# Altium PCB OctopusPB_r0102.PcbDoc (part 2 of 10)
Units mm, origin at the board's own origin, x right, y up, seen from the top; angles counter-clockwise.
Board outline 318 x 80 mm, 4 copper layers (Top Layer, Layer 1, Layer 2, Bottom Layer), stack 1.62 mm thick; 806 components, 346 nets, 2957 pads, 6733 vias.
Unrouted connection lines stored in the file: 1143.
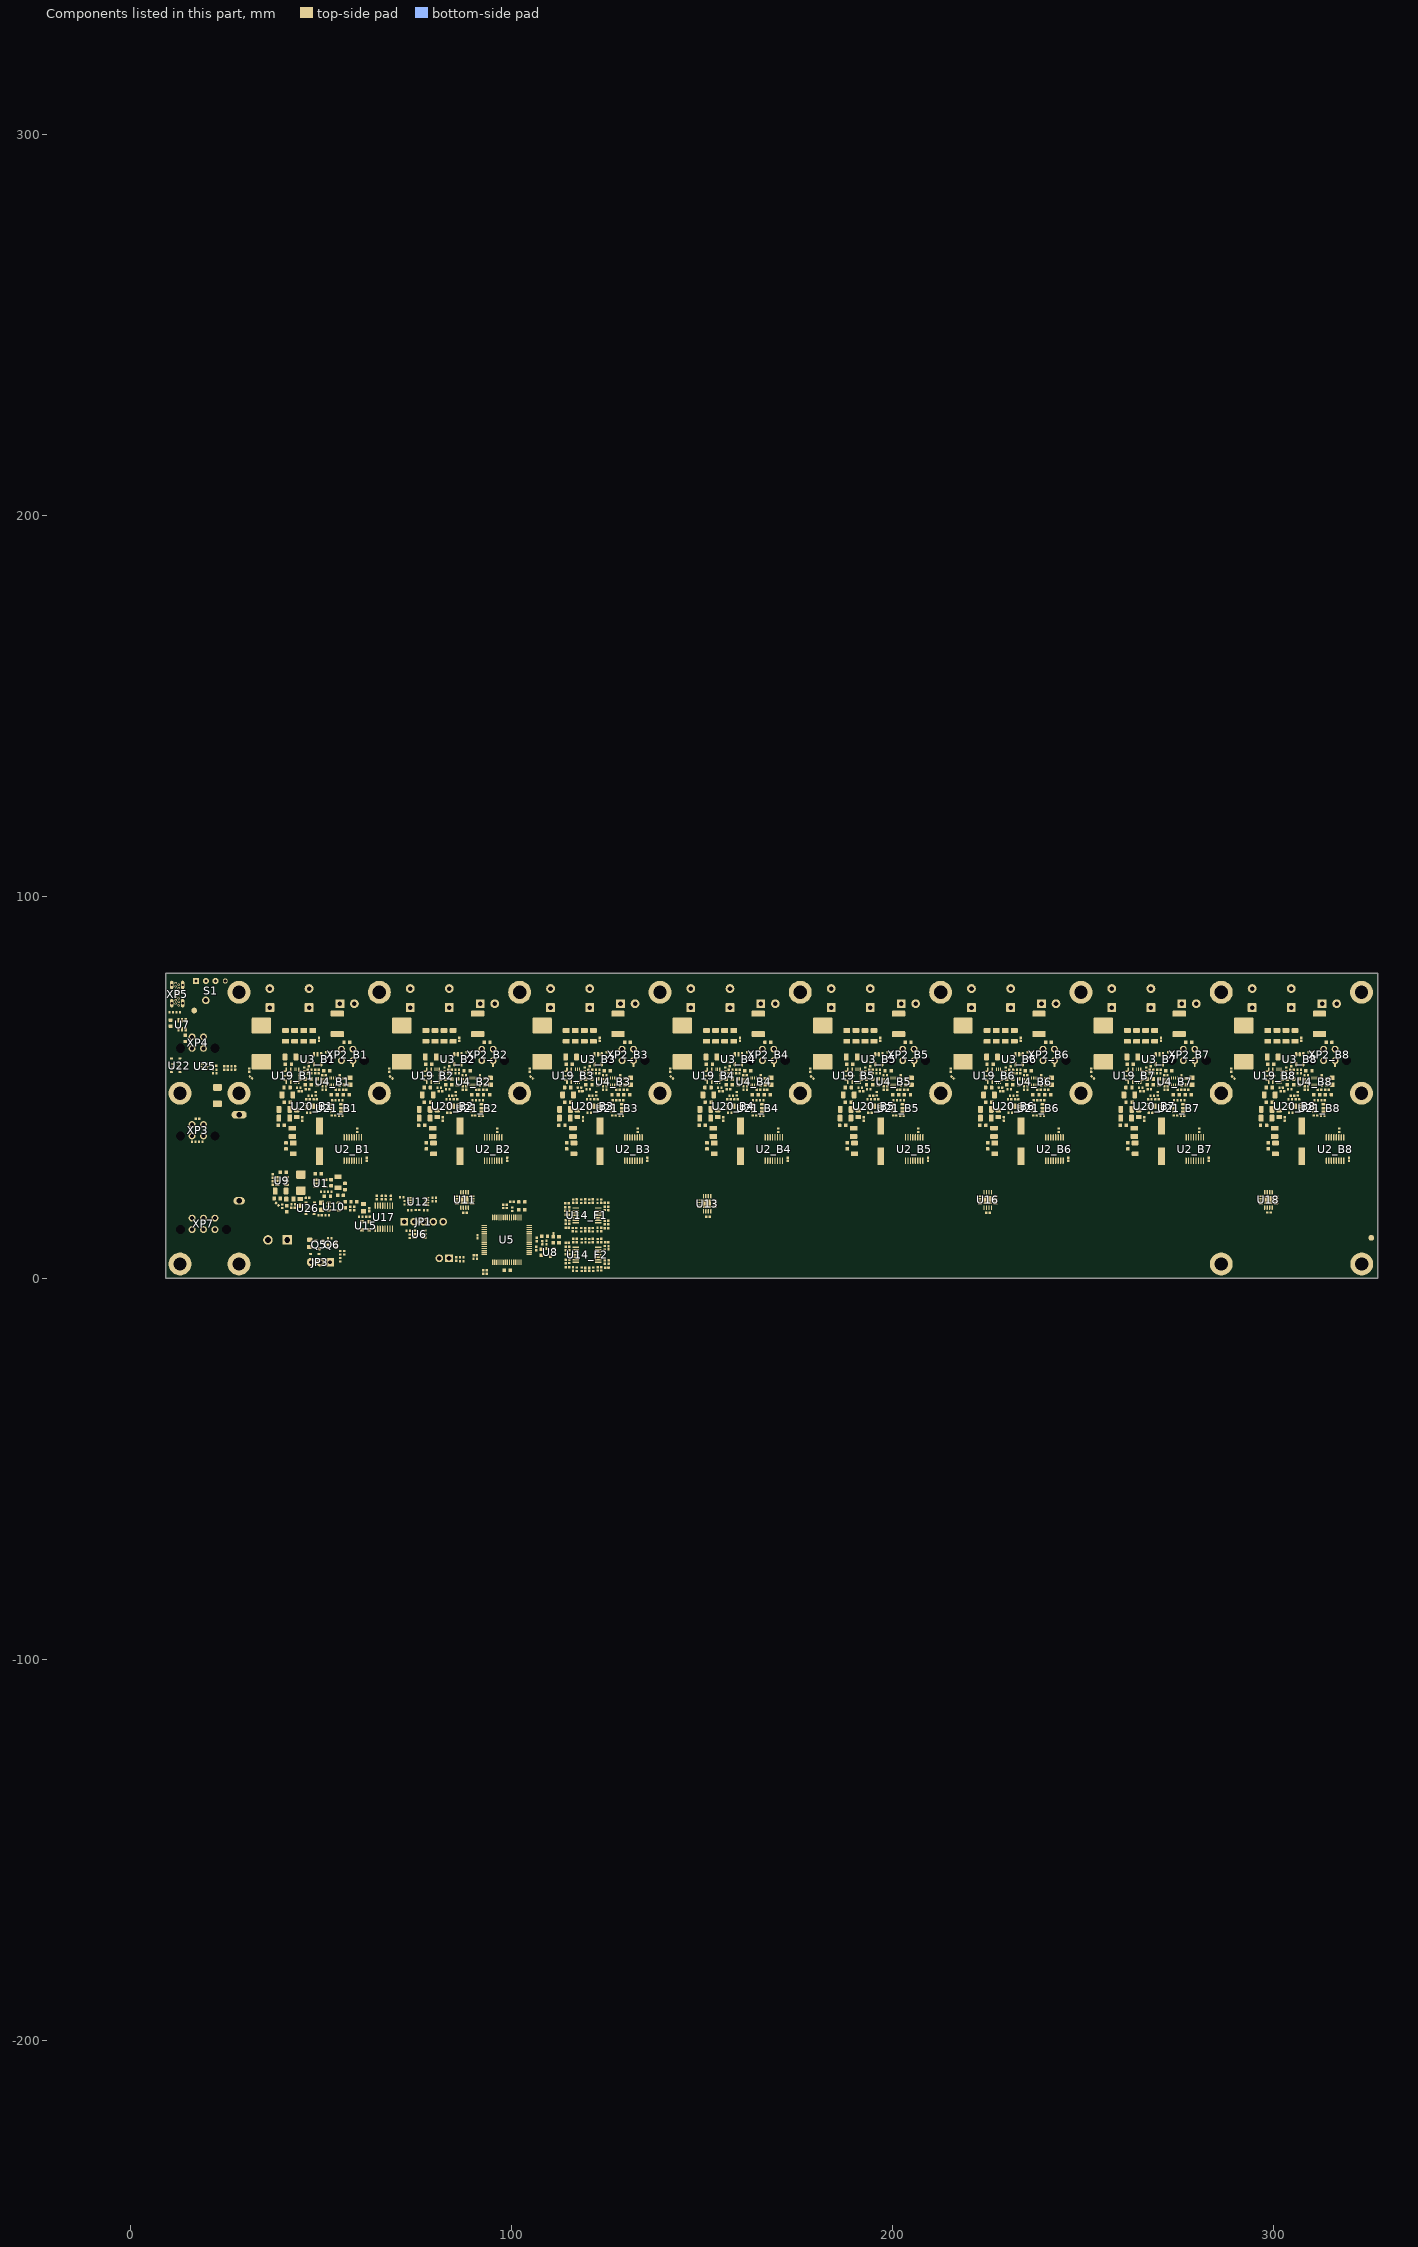
[diagram p4: the components of this part, seen from the top]

## Components (designator, comment, footprint, x,y, rotation, side; value= is the part's Value field where it differs from the comment) (continued)
R8_B1 "0R" RC0402M 47.175,47.85 r0 top (schematic designator R8)
R8_B2 "0R" RC0402M 84,47.85 r0 top (schematic designator R8)
R8_B3 "0R" RC0402M 120.825,47.85 r0 top (schematic designator R8)
R8_B4 "0R" RC0402M 157.65,47.85 r0 top (schematic designator R8)
R8_B5 "0R" RC0402M 194.475,47.85 r0 top (schematic designator R8)
R8_B6 "0R" RC0402M 231.3,47.85 r0 top (schematic designator R8)
R8_B7 "0R" RC0402M 268.125,47.85 r0 top (schematic designator R8)
R8_B8 "0R" RC0402M 304.95,47.85 r0 top (schematic designator R8)
R9_B1 "2k" RC2512M 54.275,66.7 r270 top (schematic designator R9)
R9_B2 "2k" RC2512M 91.1,66.7 r270 top (schematic designator R9)
R9_B3 "2k" RC2512M 127.925,66.7 r270 top (schematic designator R9)
R9_B4 "2k" RC2512M 164.75,66.7 r270 top (schematic designator R9)
R9_B5 "2k" RC2512M 201.575,66.7 r270 top (schematic designator R9)
R9_B6 "2k" RC2512M 238.4,66.7 r270 top (schematic designator R9)
R9_B7 "2k" RC2512M 275.225,66.7 r270 top (schematic designator R9)
R9_B8 "2k" RC2512M 312.05,66.7 r270 top (schematic designator R9)
R10_B1 "10k" RC0402M 53.375,46.625 r180 top (schematic designator R10)
R10_B2 "10k" RC0402M 90.2,46.625 r180 top (schematic designator R10)
R10_B3 "10k" RC0402M 127.025,46.625 r180 top (schematic designator R10)
R10_B4 "10k" RC0402M 163.85,46.625 r180 top (schematic designator R10)
R10_B5 "10k" RC0402M 200.675,46.625 r180 top (schematic designator R10)
R10_B6 "10k" RC0402M 237.5,46.625 r180 top (schematic designator R10)
R10_B7 "10k" RC0402M 274.325,46.625 r180 top (schematic designator R10)
R10_B8 "10k" RC0402M 311.15,46.625 r180 top (schematic designator R10)
R11_B1 "1.47k" RC0402M 55.2,46.625 r180 top (schematic designator R11)
R11_B2 "1.47k" RC0402M 92.025,46.625 r180 top (schematic designator R11)
R11_B3 "1.47k" RC0402M 128.85,46.625 r180 top (schematic designator R11)
R11_B4 "1.47k" RC0402M 165.675,46.625 r180 top (schematic designator R11)
R11_B5 "1.47k" RC0402M 202.5,46.625 r180 top (schematic designator R11)
R11_B6 "1.47k" RC0402M 239.325,46.625 r180 top (schematic designator R11)
R11_B7 "1.47k" RC0402M 276.15,46.625 r180 top (schematic designator R11)
R11_B8 "1.47k" RC0402M 312.975,46.625 r180 top (schematic designator R11)
R12 "91R" RC0402M 64.65,21.125 r90 top
R13 "91R" RC0402M 68.35,21.125 r90 top
R14 "10k" RC0402M 22.075,53.775 r0 top
R15_F1 "1.21k" RC0402M 125.4,14.56 r90 top (schematic designator R15)
R15_F2 "1.21k" RC0402M 125.45,4.21 r90 top (schematic designator R15)
R16_F1 "10k" RC0402M 123.5,12.74 r270 top (schematic designator R16)
R16_F2 "10k" RC0402M 123.55,2.39 r270 top (schematic designator R16)
R17 "10k" RC0402M 22.075,54.7 r180 top
R18_F1 "1.21k" RC0402M 115.1,18.115 r270 top (schematic designator R18)
R18_F2 "1.21k" RC0402M 115.15,7.765 r270 top (schematic designator R18)
R19_F1 "10k" RC0402M 122.55,12.745 r270 top (schematic designator R19)
R19_F2 "10k" RC0402M 122.6,2.395 r270 top (schematic designator R19)
R20_B1 "7.15k" RC0402M 48.925,53.7 r0 top (schematic designator R20)
R20_B2 "7.15k" RC0402M 85.75,53.7 r0 top (schematic designator R20)
R20_B3 "7.15k" RC0402M 122.575,53.7 r0 top (schematic designator R20)
R20_B4 "7.15k" RC0402M 159.4,53.7 r0 top (schematic designator R20)
R20_B5 "7.15k" RC0402M 196.225,53.7 r0 top (schematic designator R20)
R20_B6 "7.15k" RC0402M 233.05,53.7 r0 top (schematic designator R20)
R20_B7 "7.15k" RC0402M 269.875,53.7 r0 top (schematic designator R20)
R20_B8 "7.15k" RC0402M 306.7,53.7 r0 top (schematic designator R20)
R21_B1 "1.2k" RC0402M 50.775,53.2 r0 top (schematic designator R21)
R21_B2 "1.2k" RC0402M 87.6,53.2 r0 top (schematic designator R21)
R21_B3 "1.2k" RC0402M 124.425,53.2 r0 top (schematic designator R21)
R21_B4 "1.2k" RC0402M 161.25,53.2 r0 top (schematic designator R21)
R21_B5 "1.2k" RC0402M 198.075,53.2 r0 top (schematic designator R21)
R21_B6 "1.2k" RC0402M 234.9,53.2 r0 top (schematic designator R21)
R21_B7 "1.2k" RC0402M 271.725,53.2 r0 top (schematic designator R21)
R21_B8 "1.2k" RC0402M 308.55,53.2 r0 top (schematic designator R21)
R22_F1 "1.21k" RC0402M 121.325,12.68 r90 top (schematic designator R22)
R22_F2 "1.21k" RC0402M 121.375,2.33 r90 top (schematic designator R22)
R23_B1 "0R" RC0402M 50.825,50.325 r0 top (schematic designator R23)
R23_B2 "0R" RC0402M 87.65,50.325 r0 top (schematic designator R23)
R23_B3 "0R" RC0402M 124.475,50.325 r0 top (schematic designator R23)
R23_B4 "0R" RC0402M 161.3,50.325 r0 top (schematic designator R23)
R23_B5 "0R" RC0402M 198.125,50.325 r0 top (schematic designator R23)
R23_B6 "0R" RC0402M 234.95,50.325 r0 top (schematic designator R23)
R23_B7 "0R" RC0402M 271.775,50.325 r0 top (schematic designator R23)
R23_B8 "0R" RC0402M 308.6,50.325 r0 top (schematic designator R23)
R24_B1 "0R" RC0402M 50.825,49.4 r0 top (schematic designator R24)
R24_B2 "0R" RC0402M 87.65,49.4 r0 top (schematic designator R24)
R24_B3 "0R" RC0402M 124.475,49.4 r0 top (schematic designator R24)
R24_B4 "0R" RC0402M 161.3,49.4 r0 top (schematic designator R24)
R24_B5 "0R" RC0402M 198.125,49.4 r0 top (schematic designator R24)
R24_B6 "0R" RC0402M 234.95,49.4 r0 top (schematic designator R24)
R24_B7 "0R" RC0402M 271.775,49.4 r0 top (schematic designator R24)
R24_B8 "0R" RC0402M 308.6,49.4 r0 top (schematic designator R24)
R25_B1 "0R" RC0402M 51.25,51.725 r90 top (schematic designator R25)
R25_B2 "0R" RC0402M 88.075,51.725 r90 top (schematic designator R25)
R25_B3 "0R" RC0402M 124.9,51.725 r90 top (schematic designator R25)
R25_B4 "0R" RC0402M 161.725,51.725 r90 top (schematic designator R25)
R25_B5 "0R" RC0402M 198.55,51.725 r90 top (schematic designator R25)
R25_B6 "0R" RC0402M 235.375,51.725 r90 top (schematic designator R25)
R25_B7 "0R" RC0402M 272.2,51.725 r90 top (schematic designator R25)
R25_B8 "0R" RC0402M 309.025,51.725 r90 top (schematic designator R25)
R26_B1 "0R" RC0402M 50.35,51.72 r90 top (schematic designator R26)
R26_B2 "0R" RC0402M 87.175,51.72 r90 top (schematic designator R26)
R26_B3 "0R" RC0402M 124,51.72 r90 top (schematic designator R26)
R26_B4 "0R" RC0402M 160.825,51.72 r90 top (schematic designator R26)
R26_B5 "0R" RC0402M 197.65,51.72 r90 top (schematic designator R26)
R26_B6 "0R" RC0402M 234.475,51.72 r90 top (schematic designator R26)
R26_B7 "0R" RC0402M 271.3,51.72 r90 top (schematic designator R26)
R26_B8 "0R" RC0402M 308.125,51.72 r90 top (schematic designator R26)
R27 "4.7k" RC0402M 18.45,35.725 r180 top
R28 "4.7k" RC0402M 16.625,35.725 r0 top
R29 "10k" RC0402M 100.175,18.05 r270 top
R30 "1k" RC0402M 49.75,16.475 r180 top
R31 "10k" RC0402M 73.325,11 r90 top
R32 "10k" RC0402M 72.875,12.45 r180 top
R33 "1k" RC0402M 51.65,16.475 r0 top
R34 "240R" RC0402M 100.125,20 r0 top
R35_F1 "1.21k" RC0402M 115.15,14.715 r90 top (schematic designator R35)
R35_F2 "1.21k" RC0402M 115.2,4.365 r90 top (schematic designator R35)
R36 "100k" RC0402M 90.475,5.025 r180 top
R37 "5.1k" RC0402M 12.55,69.725 r0 top
R38 "33R" RC0402M 93.025,2 r180 top
R39 "5.1k" RC0402M 10.675,69.725 r180 top
R40 "10k" RC0402M 11.1,55.75 r90 top
R41 "33R" RC0402M 93.025,1.075 r180 top
R42 "10k" RC0402M 86.94,5.425 r0 top
R43 "100R" RC0402M 86.945,4.45 r0 top
R44 "91k" RC0402M 37.3,26.775 r90 top
R45 "22.1k" RC0402M 37.3,24.93 r270 top
R46 "4.7k" RC0402M 77.5,17.85 r0 top
R47 "4.7k" RC0402M 73.275,17.85 r0 top
R48 "4.7k" RC0402M 79.675,21.075 r0 top
R49 "4.7k" RC0402M 79.675,20.15 r0 top
R50 "4.7k" RC0402M 71.175,21.15 r180 top
R51 "4.7k" RC0402M 71.9,19.775 r270 top
R52 "91R" RC0402M 65.975,21.125 r90 top
R53_F1 "10k" RC0402M 116.15,20.19 r90 top (schematic designator R53)
R53_F2 "10k" RC0402M 116.2,9.84 r90 top (schematic designator R53)
R54 "10k" RC0402M 60.425,16.125 r0 top
R55 "91R" RC0402M 66.925,21.125 r90 top
R56_F1 "1.21k" RC0402M 124.425,18.27 r270 top (schematic designator R56)
R56_F2 "1.21k" RC0402M 124.475,7.92 r270 top (schematic designator R56)
R57_F1 "10k" RC0402M 117.075,20.2 r90 top (schematic designator R57)
R57_F2 "10k" RC0402M 117.125,9.85 r90 top (schematic designator R57)
R58_B1 "0R" RC0402M 46.575,46.9 r0 top (schematic designator R58)
R58_B2 "0R" RC0402M 83.4,46.9 r0 top (schematic designator R58)
R58_B3 "0R" RC0402M 120.225,46.9 r0 top (schematic designator R58)
R58_B4 "0R" RC0402M 157.05,46.9 r0 top (schematic designator R58)
R58_B5 "0R" RC0402M 193.875,46.9 r0 top (schematic designator R58)
R58_B6 "0R" RC0402M 230.7,46.9 r0 top (schematic designator R58)
R58_B7 "0R" RC0402M 267.525,46.9 r0 top (schematic designator R58)
R58_B8 "0R" RC0402M 304.35,46.9 r0 top (schematic designator R58)
R59_B1 "0R" RC0402M 48.575,48.325 r270 top (schematic designator R59)
R59_B2 "0R" RC0402M 85.4,48.325 r270 top (schematic designator R59)
R59_B3 "0R" RC0402M 122.225,48.325 r270 top (schematic designator R59)
R59_B4 "0R" RC0402M 159.05,48.325 r270 top (schematic designator R59)
R59_B5 "0R" RC0402M 195.875,48.325 r270 top (schematic designator R59)
R59_B6 "0R" RC0402M 232.7,48.325 r270 top (schematic designator R59)
R59_B7 "0R" RC0402M 269.525,48.325 r270 top (schematic designator R59)
R59_B8 "0R" RC0402M 306.35,48.325 r270 top (schematic designator R59)
R60_F1 "10k" RC0402M 116.075,12.715 r270 top (schematic designator R60)
R60_F2 "10k" RC0402M 116.125,2.365 r270 top (schematic designator R60)
R61_F1 "10k" RC0402M 123.475,20.19 r90 top (schematic designator R61)
R61_F2 "10k" RC0402M 123.525,9.84 r90 top (schematic designator R61)
R62_F1 "10k" RC0402M 117.025,12.69 r270 top (schematic designator R62)
R62_F2 "10k" RC0402M 117.075,2.34 r270 top (schematic designator R62)
R63_F1 "10k" RC0402M 122.55,20.175 r90 top (schematic designator R63)
R63_F2 "10k" RC0402M 122.6,9.825 r90 top (schematic designator R63)
R64 "10k" RC0402M 42.675,19.425 r0 top
R65_B1 "100R" RC0402M 44.18,50 r0 top (schematic designator R65)
R65_B2 "100R" RC0402M 81.005,50 r0 top (schematic designator R65)
R65_B3 "100R" RC0402M 117.83,50 r0 top (schematic designator R65)
R65_B4 "100R" RC0402M 154.655,50 r0 top (schematic designator R65)
R65_B5 "100R" RC0402M 191.48,50 r0 top (schematic designator R65)
R65_B6 "100R" RC0402M 228.305,50 r0 top (schematic designator R65)
R65_B7 "100R" RC0402M 265.13,50 r0 top (schematic designator R65)
R65_B8 "100R" RC0402M 301.955,50 r0 top (schematic designator R65)
R66_B1 "33k" RC0402M 45.575,54.775 r90 top (schematic designator R66)
R66_B2 "33k" RC0402M 82.4,54.775 r90 top (schematic designator R66)
R66_B3 "33k" RC0402M 119.225,54.775 r90 top (schematic designator R66)
R66_B4 "33k" RC0402M 156.05,54.775 r90 top (schematic designator R66)
R66_B5 "33k" RC0402M 192.875,54.775 r90 top (schematic designator R66)
R66_B6 "33k" RC0402M 229.7,54.775 r90 top (schematic designator R66)
R66_B7 "33k" RC0402M 266.525,54.775 r90 top (schematic designator R66)
R66_B8 "33k" RC0402M 303.35,54.775 r90 top (schematic designator R66)
R67_B1 "6.04k" RC0402M 46.525,54.2 r270 top (schematic designator R67)
R67_B2 "6.04k" RC0402M 83.35,54.2 r270 top (schematic designator R67)
R67_B3 "6.04k" RC0402M 120.175,54.2 r270 top (schematic designator R67)
R67_B4 "6.04k" RC0402M 157,54.2 r270 top (schematic designator R67)
R67_B5 "6.04k" RC0402M 193.825,54.2 r270 top (schematic designator R67)
R67_B6 "6.04k" RC0402M 230.65,54.2 r270 top (schematic designator R67)
R67_B7 "6.04k" RC0402M 267.475,54.2 r270 top (schematic designator R67)
R67_B8 "6.04k" RC0402M 304.3,54.2 r270 top (schematic designator R67)
R68 "0R" RC0402M 97.8,18.8 r270 top
R69 "0R" RC0402M 98.75,18.795 r270 top
R70 "10k" RC0402M 55.1,4.8 r270 top
R71 "10k" RC0402M 52.3,10.45 r0 top
R72 "10R" RC0402M 55.1,6.62 r270 top
R73 "10k" RC0402M 56.075,6.625 r270 top
R74_B1 "0R" RC0402M 46.75,43.325 r0 top (schematic designator R74)
R74_B2 "0R" RC0402M 83.575,43.325 r0 top (schematic designator R74)
R74_B3 "0R" RC0402M 120.4,43.325 r0 top (schematic designator R74)
R74_B4 "0R" RC0402M 157.225,43.325 r0 top (schematic designator R74)
R74_B5 "0R" RC0402M 194.05,43.325 r0 top (schematic designator R74)
R74_B6 "0R" RC0402M 230.875,43.325 r0 top (schematic designator R74)
R74_B7 "0R" RC0402M 267.7,43.325 r0 top (schematic designator R74)
R74_B8 "0R" RC0402M 304.525,43.325 r0 top (schematic designator R74)
R75_F1 "1.21k" RC0402M 118.35,20.165 r270 top (schematic designator R75)
R75_F2 "1.21k" RC0402M 118.4,9.815 r270 top (schematic designator R75)
R76_F1 "1.21k" RC0402M 118.325,12.655 r90 top (schematic designator R76)
R76_F2 "1.21k" RC0402M 118.375,2.305 r90 top (schematic designator R76)
R77_F1 "1.21k" RC0402M 120.325,20.17 r270 top (schematic designator R77)
R77_F2 "1.21k" RC0402M 120.375,9.82 r270 top (schematic designator R77)
R82 "10k" RC0402M 38.5,19.35 r315 top
R83_B1 "10R" RC0402M 46.45,49.525 r0 top (schematic designator R83)
R83_B2 "10R" RC0402M 83.275,49.525 r0 top (schematic designator R83)
R83_B3 "10R" RC0402M 120.1,49.525 r0 top (schematic designator R83)
R83_B4 "10R" RC0402M 156.925,49.525 r0 top (schematic designator R83)
R83_B5 "10R" RC0402M 193.75,49.525 r0 top (schematic designator R83)
R83_B6 "10R" RC0402M 230.575,49.525 r0 top (schematic designator R83)
R83_B7 "10R" RC0402M 267.4,49.525 r0 top (schematic designator R83)
R83_B8 "10R" RC0402M 304.225,49.525 r0 top (schematic designator R83)
R86 "1k" RC0402M 39.825,18.825 r270 top
R102_B1 "91R" RC0402M 59.475,38.8 r90 top (schematic designator R102)
R102_B2 "91R" RC0402M 96.3,38.8 r90 top (schematic designator R102)
R102_B3 "91R" RC0402M 133.125,38.8 r90 top (schematic designator R102)
R102_B4 "91R" RC0402M 169.95,38.8 r90 top (schematic designator R102)
R102_B5 "91R" RC0402M 206.775,38.8 r90 top (schematic designator R102)
R102_B6 "91R" RC0402M 243.6,38.8 r90 top (schematic designator R102)
R102_B7 "91R" RC0402M 280.425,38.8 r90 top (schematic designator R102)
R102_B8 "91R" RC0402M 317.25,38.8 r90 top (schematic designator R102)
R106 "10k" RC0402M 24.6,55.13 r270 top
R107 "10k" RC0402M 25.55,55.13 r270 top
R108 "10k" RC0402M 26.5,55.13 r270 top
R109 "10k" RC0402M 27.425,55.13 r270 top
S1 "S-1011A" S-1011A 17.235,77.95 r90 top locked
U1 "NCP730ASNADJT1G" TSOP-5 49.875,24.825 r0 top
U2_B1 "SN74LV4051" TSSOP-16 58.35,33.85 r270 top (schematic designator U2)
U2_B2 "SN74LV4051" TSSOP-16 95.175,33.85 r270 top (schematic designator U2)
U2_B3 "SN74LV4051" TSSOP-16 132,33.85 r270 top (schematic designator U2)
U2_B4 "SN74LV4051" TSSOP-16 168.825,33.85 r270 top (schematic designator U2)
U2_B5 "SN74LV4051" TSSOP-16 205.65,33.85 r270 top (schematic designator U2)
U2_B6 "SN74LV4051" TSSOP-16 242.475,33.85 r270 top (schematic designator U2)
U2_B7 "SN74LV4051" TSSOP-16 279.3,33.85 r270 top (schematic designator U2)
U2_B8 "SN74LV4051" TSSOP-16 316.125,33.85 r270 top (schematic designator U2)
U3_B1 "TLV172IDBVR" SOT23-5 49.075,57.425 r270 top (schematic designator U3)
U3_B2 "TLV172IDBVR" SOT23-5 85.9,57.425 r270 top (schematic designator U3)
U3_B3 "TLV172IDBVR" SOT23-5 122.725,57.425 r270 top (schematic designator U3)
U3_B4 "TLV172IDBVR" SOT23-5 159.55,57.425 r270 top (schematic designator U3)
U3_B5 "TLV172IDBVR" SOT23-5 196.375,57.425 r270 top (schematic designator U3)
U3_B6 "TLV172IDBVR" SOT23-5 233.2,57.425 r270 top (schematic designator U3)
U3_B7 "TLV172IDBVR" SOT23-5 270.025,57.425 r270 top (schematic designator U3)
U3_B8 "TLV172IDBVR" SOT23-5 306.85,57.425 r270 top (schematic designator U3)
U4_B1 "DAC70501ZDQFT" WSON-8 53.054,51.555 r270 top (schematic designator U4)
U4_B2 "DAC70501ZDQFT" WSON-8 89.879,51.555 r270 top (schematic designator U4)
U4_B3 "DAC70501ZDQFT" WSON-8 126.704,51.555 r270 top (schematic designator U4)
U4_B4 "DAC70501ZDQFT" WSON-8 163.529,51.555 r270 top (schematic designator U4)
U4_B5 "DAC70501ZDQFT" WSON-8 200.354,51.555 r270 top (schematic designator U4)
U4_B6 "DAC70501ZDQFT" WSON-8 237.179,51.555 r270 top (schematic designator U4)
U4_B7 "DAC70501ZDQFT" WSON-8 274.004,51.555 r270 top (schematic designator U4)
U4_B8 "DAC70501ZDQFT" WSON-8 310.829,51.555 r270 top (schematic designator U4)
U5 "LPC54113J256BD64QL" LQFP-64 98.716,10.009 r90 top
U6 "IP4220CZ6" TSOP-6 75.825,11.525 r0 top
U7 "IP4220CZ6" TSOP-6 13.525,66.45 r270 top
U8 "REF3330AIDBZ" SOT23-3 110.2,6.75 r90 top
U9 "TPS560430YFQDBVRQ1" SOT23-6 39.725,25.475 r270 top
U10 "MIC5317-3.3YM5" SOT23-5 53.3,18.77 r0 top
U11 "PCA9554ARGVR" VQFN-16(RGV) 87.675,20.5 r180 top
U12 "PCA9540BDP,118" TSSOP-8 75.5,20.075 r0 top
U13 "PCA9554ARGVR" VQFN-16(RGV) 151.325,19.5 r180 top
U14_F1 "MCP6004T-I/ST" TSSOP-14 119.775,16.44 r0 top (schematic designator U14)
U14_F2 "MCP6004T-I/ST" TSSOP-14 119.825,6.09 r0 top (schematic designator U14)
U15 "DSC6001CI2A-004.0000" CDFN3225-4LD 61.725,13.7 r0 top
U16 "PCA9554ARGVR" VQFN-16(RGV) 224.975,20.5 r180 top
U17 "SN74HC163PW" TSSOP-16 66.475,15.975 r90 top
U18 "PCA9554ARGVR" VQFN-16(RGV) 298.625,20.5 r180 top
U19_B1 "LM61460-Q1" VQFN-HR-14 42.5,53.075 r180 top (schematic designator U19)
U19_B2 "LM61460-Q1" VQFN-HR-14 79.325,53.075 r180 top (schematic designator U19)
U19_B3 "LM61460-Q1" VQFN-HR-14 116.15,53.075 r180 top (schematic designator U19)
U19_B4 "LM61460-Q1" VQFN-HR-14 152.975,53.075 r180 top (schematic designator U19)
U19_B5 "LM61460-Q1" VQFN-HR-14 189.8,53.075 r180 top (schematic designator U19)
U19_B6 "LM61460-Q1" VQFN-HR-14 226.625,53.075 r180 top (schematic designator U19)
U19_B7 "LM61460-Q1" VQFN-HR-14 263.45,53.075 r180 top (schematic designator U19)
U19_B8 "LM61460-Q1" VQFN-HR-14 300.275,53.075 r180 top (schematic designator U19)
U20_B1 "AT30TSE002B-MAH-T" WDFN-8 47.7,45.075 r0 top (schematic designator U20)
U20_B2 "AT30TSE002B-MAH-T" WDFN-8 84.525,45.075 r0 top (schematic designator U20)
U20_B3 "AT30TSE002B-MAH-T" WDFN-8 121.35,45.075 r0 top (schematic designator U20)
U20_B4 "AT30TSE002B-MAH-T" WDFN-8 158.175,45.075 r0 top (schematic designator U20)
U20_B5 "AT30TSE002B-MAH-T" WDFN-8 195,45.075 r0 top (schematic designator U20)
U20_B6 "AT30TSE002B-MAH-T" WDFN-8 231.825,45.075 r0 top (schematic designator U20)
U20_B7 "AT30TSE002B-MAH-T" WDFN-8 268.65,45.075 r0 top (schematic designator U20)
U20_B8 "AT30TSE002B-MAH-T" WDFN-8 305.475,45.075 r0 top (schematic designator U20)
U21_B1 "MCP65R41T-2402E/CHY" SOT23-6 54.15,44.6 r90 top (schematic designator U21)
U21_B2 "MCP65R41T-2402E/CHY" SOT23-6 90.975,44.6 r90 top (schematic designator U21)
U21_B3 "MCP65R41T-2402E/CHY" SOT23-6 127.8,44.6 r90 top (schematic designator U21)
U21_B4 "MCP65R41T-2402E/CHY" SOT23-6 164.625,44.6 r90 top (schematic designator U21)
U21_B5 "MCP65R41T-2402E/CHY" SOT23-6 201.45,44.6 r90 top (schematic designator U21)
U21_B6 "MCP65R41T-2402E/CHY" SOT23-6 238.275,44.6 r90 top (schematic designator U21)
U21_B7 "MCP65R41T-2402E/CHY" SOT23-6 275.1,44.6 r90 top (schematic designator U21)
U21_B8 "MCP65R41T-2402E/CHY" SOT23-6 311.925,44.6 r90 top (schematic designator U21)
U22 "FPF1320UCX" WLCSP-6 12.725,55.775 r0 top
U25 "NX3DV221GM,115" XQFN-10(SOT1049-3) 19.45,55.575 r270 top
U26 "FPF1320UCX" WLCSP-6 46.575,18.375 r270 top
X1_B1 "NETs_CONNECTOR" NETs_CONNECTOR 58.35,55.875 r270 top (schematic designator X1)
X1_B2 "NETs_CONNECTOR" NETs_CONNECTOR 95.175,55.875 r270 top (schematic designator X1)
X1_B3 "NETs_CONNECTOR" NETs_CONNECTOR 132,55.875 r270 top (schematic designator X1)
X1_B4 "NETs_CONNECTOR" NETs_CONNECTOR 168.825,55.875 r270 top (schematic designator X1)
X1_B5 "NETs_CONNECTOR" NETs_CONNECTOR 205.65,55.875 r270 top (schematic designator X1)
X1_B6 "NETs_CONNECTOR" NETs_CONNECTOR 242.475,55.875 r270 top (schematic designator X1)
X1_B7 "NETs_CONNECTOR" NETs_CONNECTOR 279.3,55.875 r270 top (schematic designator X1)
X1_B8 "NETs_CONNECTOR" NETs_CONNECTOR 316.125,55.875 r270 top (schematic designator X1)
X3 "NETs_CONNECTOR" NETs_CONNECTOR 110.975,11.625 r90 top
XP1_B1 "TBH-2x3.81P-RA-GN" TBH-2X3.81P-RA-GN 56.85,72 r0 top locked (schematic designator XP1)
XP1_B2 "TBH-2x3.81P-RA-GN" TBH-2X3.81P-RA-GN 93.675,72 r0 top (schematic designator XP1)
XP1_B3 "TBH-2x3.81P-RA-GN" TBH-2X3.81P-RA-GN 130.5,72 r0 top (schematic designator XP1)
XP1_B4 "TBH-2x3.81P-RA-GN" TBH-2X3.81P-RA-GN 167.325,72 r0 top (schematic designator XP1)
XP1_B5 "TBH-2x3.81P-RA-GN" TBH-2X3.81P-RA-GN 204.15,72 r0 top (schematic designator XP1)
XP1_B6 "TBH-2x3.81P-RA-GN" TBH-2X3.81P-RA-GN 240.975,72 r0 top (schematic designator XP1)
XP1_B7 "TBH-2x3.81P-RA-GN" TBH-2X3.81P-RA-GN 277.8,72 r0 top (schematic designator XP1)
XP1_B8 "TBH-2x3.81P-RA-GN" TBH-2X3.81P-RA-GN 314.625,72 r0 top (schematic designator XP1)